# Altium PCB RF.PcbDoc (part 2 of 5)
Units mm, origin at the board's own origin, x right, y up, seen from the top; angles counter-clockwise.
Board outline 174 x 120 mm, 4 copper layers (Top, REF1, Internal, REF2), stack 1.212 mm thick; 567 components, 328 nets, 1552 pads, 3145 vias.
Unrouted connection lines stored in the file: 12.
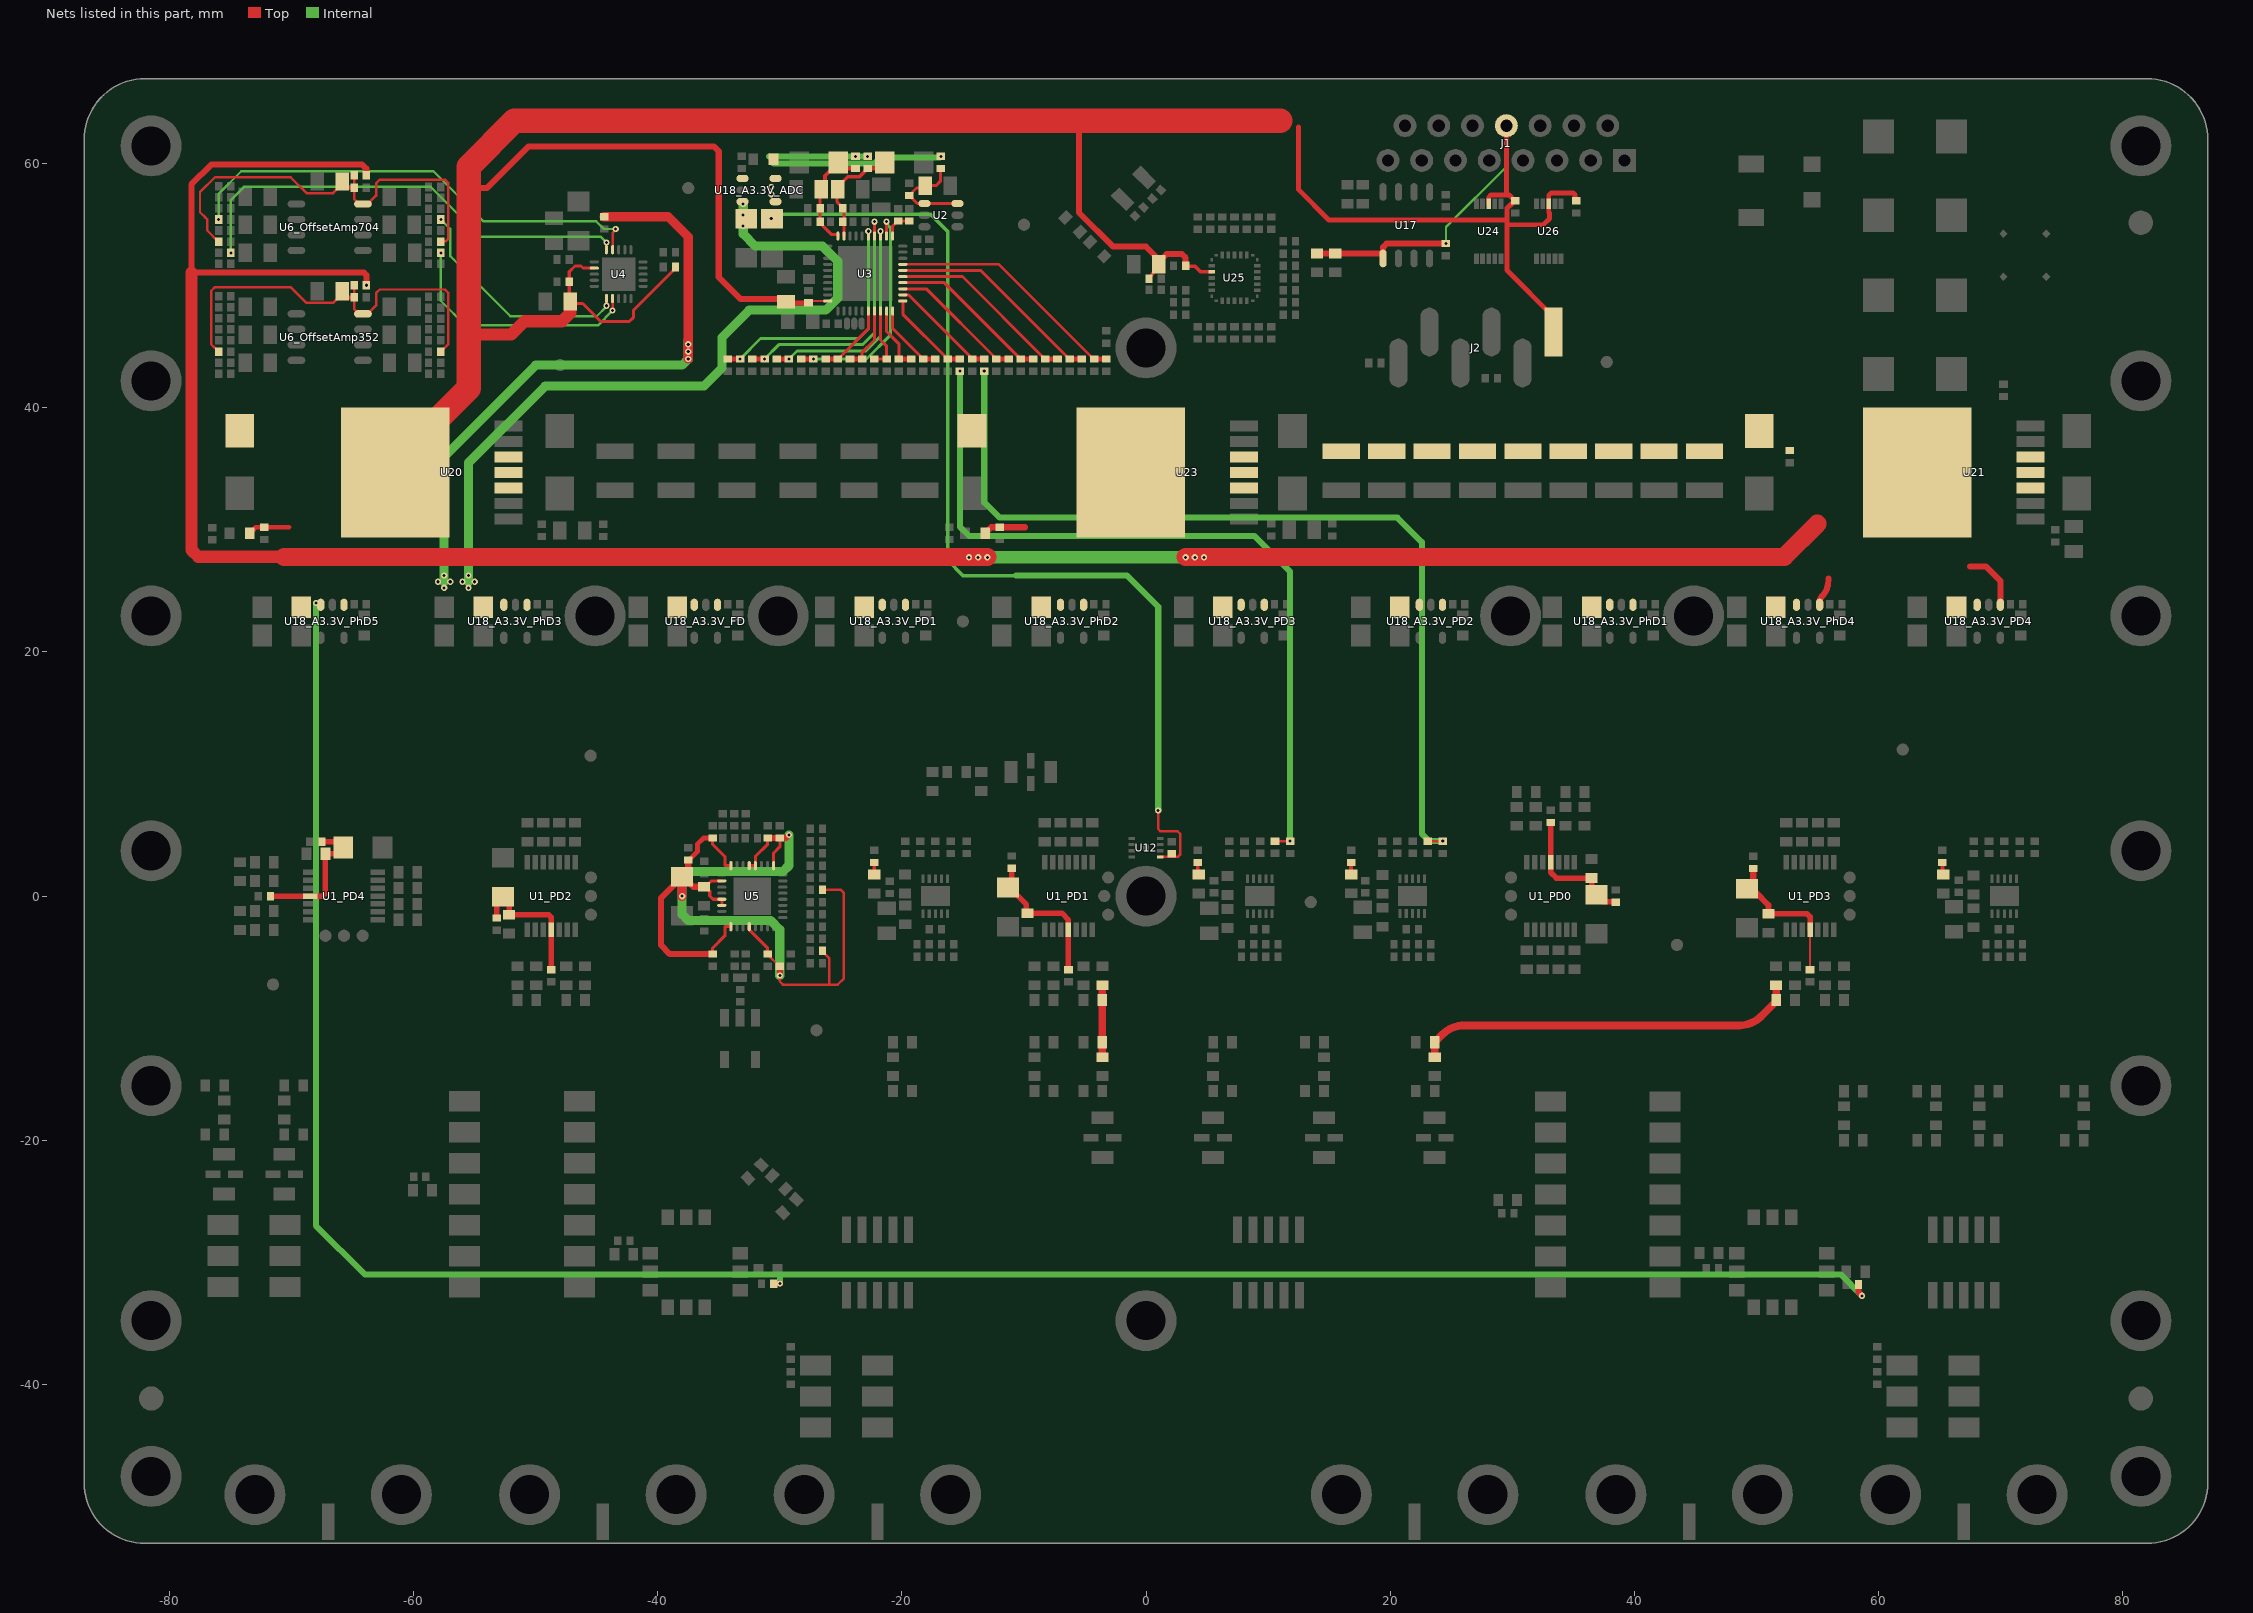
[diagram p4: the nets of this part, all layers, seen from the top]

## Footprints (in the part's own frame and the unit in brackets; to place one, negate y for a bottom-side part, rotate by r counter-clockwise, add the part's x,y. Pads: shape width x height; smd on the part's side, far side on the other; paste and mask are expansions set on the pad) (continued)
"2917-7343  Tantalum Capacitor" [mm]
  rect 2.77x2.55 smd paste-0.1: +(-3.22,0) -(3.22,0)
  silkscreen extent -6,-2.5 5,2.5, body extent -3.8,-2.3 3.8,2.3, height 4.31
AE10105-ND [mil] "15Position D-Sub Plug, Male Pins Connector"
  rect 74x74 hole 39.37: 1(0,0)
  round 74 hole 39.37: 2(-109,0) 3(-218,0) 4(-327,0) 5(-436,0) 6(-545,0) 7(-654,0) 8(-763,0) 9(-54,112) 10(-163,112) 11(-272,112) 12(-381,112) 13(-490,112) 14(-599,112) 15(-708,112)
  body extent -1322,-15 560,776, height 713
BK276 [mm] "Mini-circuits"
  rect 1.65x2.54 smd: 1(0,0) 2(2.54,0) 3(5.08,0) 4(7.62,0) 5(10.16,0) 6(12.7,0) 7(15.24,0) 8(15.24,9.4) 9(12.7,9.4) 10(10.16,9.4) 11(7.62,9.4) 12(5.08,9.4) 13(2.54,9.4) 14(0,9.4)
  silkscreen extent -1.9,-0.1 -1.7,0.1, body extent -2.58,-1.02 17.82,10.41, height 6.35
CD542#1 [mm] "Mini-Circuits CD542"
  rect 1.65x2.54 smd: 1(0,0) 2(2.54,0) 4(5.08,5.08) 5(2.54,5.08) 6(0,5.08)
  rect 1.65x2.54 smd mask+0: 3(5.08,0)
  silkscreen extent -0.13,-2.42 0.07,-2.22, body extent -1.39,-0.91 6.48,6, height 2.85
CD542#2 [mm] "Mini-Circuits CD542"
  rect 1.65x2.54 smd: 1(0,0) 2(2.54,0) 3(5.08,0) 4(5.08,5.08) 5(2.54,5.08) 6(0,5.08)
  silkscreen extent -0.07,-3 0.13,-2.8, body extent -1.39,-0.91 6.48,6, height 2.85
CD636 [mm] "Mini-Circuits CD636"
  rect 1.65x2.54 smd: 1(0,0) 2(2.54,0) 3(5.08,0) 4(5.08,5.08) 5(2.54,5.08) 6(0,5.08)
  silkscreen extent -2.1,-0.1 -1.9,0.1, body extent -1.33,-0.85 6.54,6.05, height 4.11
D2PAK7 [mil] "R Package  7-Lead Plastic DD Pak"
  rect 35x90 smd paste-3.94: 1(0,0) 2(50,0) 3(100,0) 4(150,0) 5(200,0) 6(250,0) 7(300,0)
  rect 420x350 smd paste-3.94: EP(150,365)
  body extent -47,-46 347,570, height 195
DO-219AB [mm] "DO-219AB"
  rect 1.3x1.4 smd: A(0,0) K(2.9,0)
  silkscreen extent 1.95,-0.7 1.95,0.7, body extent -0.29,-0.97 3.21,0.97, height 1.01
DZ943#1 [mm] "Minicircuits"
  rect 0.76x2.16 smd: 1(0,0) 2(1.27,0) 4(3.81,0) 5(5.08,0) 8(2.54,5.36) 10(0,5.36)
  rect 0.76x2.16 smd mask+0: 3(2.54,0) 6(5.08,5.36) 7(3.81,5.36) 9(1.27,5.36)
  silkscreen extent -0.1,1.7 0.1,1.9, body extent -1.27,-0.5 8,5.85, height 4.83
DZ943#2 [mm] "Minicircuits"
  rect 0.76x2.16 smd: 1(0,0) 2(1.27,0) 3(2.54,0) 4(3.81,0) 5(5.08,0) 6(5.08,5.36) 7(3.81,5.36) 8(2.54,5.36) 9(1.27,5.36) 10(0,5.36)
  silkscreen extent -0.1,1.7 0.1,1.9, body extent -1.27,-0.5 8,5.85, height 4.83
FV1206 [mm] "Chip ceramic LTCC filter"
  rect 1.04x1.8 smd: 1(0,0) 3(3.25,0)
  rect 0.61x1.245 smd: 2(1.625,-0.927) 4(1.625,0.927)
  body extent 0.03,-0.83 3.22,0.83, height 0.92
FZ990 [mil]
  rect 40.16x50 smd paste-3.94: 1(-30,-145) 2(30,-145) 3(90,-145) 7(90,145) 8(30,145) 9(-30,145)
  rect 50x40.16 smd paste-3.94: 4(145,-30) 5(145,30) 6(145,90) 10(-145,90) 11(-145,30) 12(-145,-30)
  silkscreen extent -150,-150 150,150, body extent -152,-152 152,152, height 100
"HDR_1x6 SMD" [mm] "Male Header, Pitch 2.54mm, 6x1 Position, Mated Height 6mm, Tail Length 3mm"
  rect 1.5x4 smd: 1(0,0)
  oval 1.5x4 smd: 2(2.54,2.54) 3(5.08,0) 4(7.62,2.54) 5(10.16,0) 6(12.7,2.54)
  silkscreen extent -0.25,3.56 0.25,4.06, body extent -1.27,-0.73 13.8,3.47, height 6.54
LED0603 [mm] "Chip Diode, 2-Leads, Body 1,60x0,80mm, IPC Medium Density"
  rect 0.8x0.95 smd: A(-0.825,0) K(0.825,0)
  silkscreen extent 0.2,-0.4 0.2,0.4, body extent -0.8,-0.4 0.8,0.4, height 0.8
LFCSP-20 [mm] "20 LFCSP 4 mm × 4 mm Body"
  oval 0.75x0.25 smd: 1(-2,1) 2(-2,0.5) 3(-2,0) 4(-2,-0.5) 5(-2,-1) 11(2,-1) 12(2,-0.5) 13(2,0) 14(2,0.5) 15(2,1)
  oval 0.25x0.75 smd: 6(-1,-2) 7(-0.5,-2) 8(0,-2) 9(0.5,-2) 10(1,-2) 16(1,2) 17(0.5,2) 18(0,2) 19(-0.5,2) 20(-1,2)
  rect 2.75x2.75 smd: EP(0,0)
  silkscreen extent -2.12,-2 2,2.12, body extent -2.01,-2.01 2.01,2.01, height 0.8
LFCSP-32 [mm] "32 LFCSP 5 mm × 5 mm Body, Very Thin Quad"
  oval 0.75x0.25 smd: 1(-2.5,1.75) 3(-2.5,0.75) 4(-2.5,0.25) 5(-2.5,-0.25) 6(-2.5,-0.75) 7(-2.5,-1.25) 8(-2.5,-1.75) 17(2.5,-1.75) 18(2.5,-1.25) 19(2.5,-0.75) 20(2.5,-0.25) 21(2.5,0.25) 22(2.5,0.75) 23(2.5,1.25) 24(2.5,1.75)
  oval 0.75x0.25 smd mask+0: 2(-2.5,1.25)
  oval 0.25x0.75 smd: 9(-1.75,-2.5) 10(-1.25,-2.5) 11(-0.75,-2.5) 12(-0.25,-2.5) 13(0.25,-2.5) 14(0.75,-2.5) 15(1.25,-2.5) 16(1.75,-2.5) 25(1.75,2.5) 26(1.25,2.5) 27(0.75,2.5) 28(0.25,2.5) 29(-0.25,2.5) 30(-0.75,2.5) 31(-1.25,2.5) 32(-1.75,2.5)
  rect 3.1x3.1 smd: EP(0,0)
  silkscreen extent -2.62,-2.5 2.5,2.62, body extent -2.5,-2.5 2.5,2.5, height 1.05
LFCSP-40 [mm] "QFN, 40-Leads, Body 6,1x6,1mm (max), Pitch 0,50mm, IPC Medium Density"
  oval 0.75x0.25 smd: 1(-3.075,2.25) 2(-3.075,1.75) 3(-3.075,1.25) 4(-3.075,0.75) 5(-3.075,0.25) 6(-3.075,-0.25) 7(-3.075,-0.75) 8(-3.075,-1.25) 9(-3.075,-1.75) 10(-3.075,-2.25) 21(3.075,-2.25) 22(3.075,-1.75) 23(3.075,-1.25) 24(3.075,-0.75) 25(3.075,-0.25) 26(3.075,0.25) 27(3.075,0.75) 28(3.075,1.25) 29(3.075,1.75) 30(3.075,2.25)
  oval 0.25x0.75 smd: 11(-2.25,-3.075) 12(-1.75,-3.075) 13(-1.25,-3.075) 14(-0.75,-3.075) 15(-0.25,-3.075) 16(0.25,-3.075) 17(0.75,-3.075) 18(1.25,-3.075) 19(1.75,-3.075) 20(2.25,-3.075) 31(2.25,3.075) 32(1.75,3.075) 33(1.25,3.075) 34(0.75,3.075) 35(0.25,3.075) 36(-0.25,3.075) 37(-0.75,3.075) 38(-1.25,3.075) 39(-1.75,3.075) 40(-2.25,3.075)
  rect 4.5x4.5 smd: EP(0,0)
  silkscreen extent -3.12,-3.05 3.05,3.13, body extent -3,-3 3,3, height 0.73
LPD5030 [mm] "Shielded Coupled Inductors"
  rect 0.5x0.5 smd rot 135: 1(-1.75,1.75) 2(-1.75,-1.75) 3(1.75,-1.75) 4(1.75,1.75)
  Top region: -2.5,-0.75 -1.75,-0.75 -1.75,-1.15 -1.15,-1.75 -0.75,-1.75 -0.75,-2.5 -1.5,-2.5 -2.5,-1.5
  Top region: 2.5,-0.75 1.75,-0.75 1.75,-1.15 1.15,-1.75 0.75,-1.75 0.75,-2.5 1.5,-2.5 2.5,-1.5
  Top region: 2.5,0.75 1.75,0.75 1.75,1.15 1.15,1.75 0.75,1.75 0.75,2.5 1.5,2.5 2.5,1.5
  Top region: -2.5,0.75 -1.75,0.75 -1.75,1.15 -1.15,1.75 -0.75,1.75 -0.75,2.5 -1.5,2.5 -2.5,1.5
  silkscreen extent -2.62,2.38 -2.37,2.62, body extent -2.5,-2.5 2.5,2.5, height 3.13
LT-DFN10 [mm] "QFN, 10-Leads, Body 3,00x3,00mm, Pitch 0,50mm, Thermal Pad 1,65x2,54mm, IPC Medium Density"
  rect 0.7x0.25 smd: 1(-1.425,1) 2(-1.425,0.5) 3(-1.425,0) 4(-1.425,-0.5) 5(-1.425,-1) 6(1.425,-1) 7(1.425,-0.5) 8(1.425,0) 9(1.425,0.5) 10(1.425,1)
  rect 1.65x2.38 smd: 11(0,0)
  silkscreen extent -2.47,-1.7 1.7,1.7, body extent -1.55,-1.55 1.55,1.55, height 0.8
"M3 Screw"#1 [mm] "M3mmx10mm Screw"
  round 5 hole 3.2: 0(0,0)
  body extent -1.9,-1.9 1.9,1.9, height 1.65
"M3 Screw"#2 [mm] "M3mmx10mm Screw"
  round 5 hole 3.2 mask+0.65: 0(0,0)
  body extent -1.9,-1.9 1.9,1.9, height 1.65
MABAES0061 [mm]
  rect 0.76x1.4 smd paste-0.1: 1(-1.27,0) 2(0,0) 3(1.27,0) 4(1.27,-3.43) 5(-1.27,-3.43)
  body extent -1.9,-4.16 1.9,0.66, height 2.83
MC000242 [mm] "SMA Bulkhead Jack  Front Mount"
  rect 1x3 smd paste-0.1: 0(0,0)
  body extent -5.55,-1.4 5.55,16.1, height 5.8
"MSOP10 3x3mm" [mm] "MSOP10 3x3mm"
  rect 0.4x0.85 smd: 1(-1,0) 2(-0.5,0) 3(0,0) 4(0.5,0) 5(1,0) 6(1,4.5) 7(0.5,4.5) 8(0,4.5) 9(-0.5,4.5) 10(-1,4.5)
  silkscreen extent -1.48,0.79 1.35,3.63, body extent -1.55,-0.27 1.55,4.77, height 1.1
SOD128 [mm] "SOD128 DIODE"
  rect 1.4x2.1 smd: 1(-2.2,0) 2(2.2,0)
  silkscreen extent 0.9,-1.5 0.9,1.5, body extent -2.6,-1.35 2.6,1.35, height 1.11
SOIC8 [mm] "SOIC, 8-Leads, Body 4,90x3,90mm, Pitch 1,27mm, IPC Medium Density"
  oval 1.45x0.6 smd: 1(-2.725,1.905) 2(-2.725,0.635) 3(-2.725,-0.635) 4(-2.725,-1.905) 5(2.725,-1.905) 6(2.725,-0.635) 7(2.725,0.635) 8(2.725,1.905)
  silkscreen extent -2.85,-2.5 1.6,2.88, body extent -3,-2.5 3,2.5, height 1.75
SOT-23-5 [mm]
  oval 0.6x1 smd: 1(-0.966,-1.35) 2(-0.016,-1.35) 3(0.934,-1.35) 4(0.934,1.35) 5(-0.966,1.35)
  silkscreen extent -1.64,-0.62 -1.39,-0.38, body extent -1.52,-1.5 1.48,1.5, height 1.5
SOT-23-6 [mm]
  oval 0.6x1 smd: 1(-0.966,-1.35) 2(-0.016,-1.35) 3(0.934,-1.35) 4(0.934,1.35) 5(-0.016,1.35) 6(-0.966,1.35)
  silkscreen extent -1.64,-0.63 -1.39,-0.38, body extent -1.52,-1.4 1.48,1.4, height 1.45
"TDFN-8 SHT3X-ARP" [mm] "TDFN-8"
  rect 0.55x0.25 smd paste-0.1: 1(-1.175,0.75) 2(-1.175,0.25) 3(-1.175,-0.25) 4(-1.175,-0.75) 5(1.175,-0.75) 6(1.175,-0.25) 7(1.175,0.25) 8(1.175,0.75)
  rect 0.5x0.5 smd: EP(0,0)
  Top region: -0.2,0.85 0.5,0.85 0.5,-0.85 -0.5,-0.85 -0.5,0.55
  silkscreen extent -1.27,1.2 -1.07,1.4, body extent -1.25,-1.25 1.25,1.25, height 0.95
TSSOP14 [mm] "14-Lead Plastic TSSOP (4.4mm)"
  rect 0.45x1.2 smd: 1(0,0) 2(0.65,0) 3(1.3,0) 4(1.95,0) 5(2.6,0) 6(3.25,0) 7(3.9,0) 8(3.9,5.55) 9(3.25,5.55) 10(2.6,5.55) 11(1.95,5.55) 12(1.3,5.55) 13(0.65,5.55) 14(0,5.55)
  silkscreen extent -0.25,0.87 4.15,4.67, body extent -0.49,-0.43 4.51,5.98, height 1.26
UFQFPN-28 [mm] "UFQFPN-28 4X4 BODY"
  rect 0.2x0.3 smd paste+0: 1(-1.875,1.5) 15(1.875,-1.5)
  rect 0.55x0.3 smd: 2(-1.875,1) 3(-1.875,0.5) 4(-1.875,0) 5(-1.875,-0.5) 6(-1.875,-1) 16(1.875,-1) 17(1.875,-0.5) 18(1.875,0) 19(1.875,0.5) 20(1.875,1)
  rect 0.2x0.3 smd: 7(-1.875,-1.5) 21(1.875,1.5)
  rect 0.3x0.2 smd paste+0: 8(-1.5,-1.875) 22(1.5,1.875)
  rect 0.3x0.55 smd: 9(-1,-1.875) 10(-0.5,-1.875) 11(0,-1.875) 12(0.5,-1.875) 13(1,-1.875) 23(1,1.875) 24(0.5,1.875) 25(0,1.875) 26(-0.5,1.875) 27(-1,1.875)
  rect 0.3x0.2 smd: 14(1.5,-1.875) 28(-1.5,1.875)
  Top region: -1.35,-1.65 -1.535,-1.65 -1.65,-1.765 -1.65,-2.15 -1.35,-2.15
  Top region: 1.35,-1.65 1.535,-1.65 1.65,-1.765 1.65,-2.15 1.35,-2.15
  Top region: -1.65,-1.35 -1.65,-1.535 -1.765,-1.65 -2.15,-1.65 -2.15,-1.35
  Top region: -1.65,1.35 -1.65,1.535 -1.765,1.65 -2.15,1.65 -2.15,1.35
  Top region: 1.65,-1.35 1.65,-1.535 1.765,-1.65 2.15,-1.65 2.15,-1.35
  Top region: 1.65,1.35 1.65,1.535 1.765,1.65 2.15,1.65 2.15,1.35
  Top region: -1.35,1.65 -1.535,1.65 -1.65,1.765 -1.65,2.15 -1.35,2.15
  Top region: 1.35,1.65 1.535,1.65 1.65,1.765 1.65,2.15 1.35,2.15
  silkscreen extent -2.23,-2.11 2.11,2.23, body extent -2.01,-2.01 2.01,2.01, height 0.57

## Part data
Att5 Att15: "Voltage Variable Attenuator / 50? 50 to 2000 MHz", Case=FZ990, HelpURL=https://www.minicircuits.com/pdfs/SVA-2000+.pdf, Supplier 1=Mini-Circuits, Supplier Part Number 1=SVA-2000+
BLM1_PD0 BLM1_PD1 BLM1_PD2 BLM1_PD3 BLM1_PD4: library part BLM15AG102SZ1D, "1 kOhms @ 100MHz 1 Signal Line Ferrite Bead 0402 (1005 Metric) 300mA 650mOhm", Case=0402, Supplier Part Number 1=490-16511-1-ND, HelpURL=https://www.murata.com/en-us/products/productdata/8796748677150/QNFA9118.pdf, Supplier 1=Digi-Key
BLM2 BLM3 BLM4 BLM7 BLM8 BLM9_OffsetAmp352 BLM9_OffsetAmp704 BLM10_PWD0 BLM10_PWD1 BLM10_PWD2 BLM10_PWD3 BLM11 BLM12 BLM13 BLM14 BLM15 BLM16: library part BLM15AX121SZ1D, "120 Ohms @ 100MHz 1 Power, Signal Line Ferrite Bead 0402 (1005 Metric) 700mA 130mOhm", Case=0402, Supplier Part Number 1=490-16510-1-ND, HelpURL=https://www.murata.com/en-us/products/productdata/8796748677150/QNFA9118.pdf, Supplier 1=Digi-Key
C1_PD0 C1_PD1 C1_PD2 C1_PD3 C1_PD4 C10 C11 C14 C15 C16 C17 C20 C22 C23 C24 C25 C26 C27 C28 C29 C30 C31 C32 C33 C34 C36 C37 C38 C40 C41 C42 C43 C45 C46 C48 C51 C54 C55 C56 C57 C58 C59 C66_OffsetAmp352 C66_OffsetAmp704 C71_PWD0 C71_PWD1 C71_PWD2 C71_PWD3 C72_PWD0 C72_PWD1 C72_PWD2 C72_PWD3 C73_PWD0 C73_PWD1 C73_PWD2 C73_PWD3 C74_PWD0 C74_PWD1 C74_PWD2 C74_PWD3 C75_PWD0 C75_PWD1 C75_PWD2 C75_PWD3 C77 C79 C80 C83 C84 C88 C89 C96 C97 C104 C105 C108 C109 C110 C111 C112 C113 C118 C119 C120 C121 C122 C123 C124 C125: "Capacitor 0402", Case=0402, Dielectric=X7R/C0G, Tolerance=±20%, Voltage Rating=16V
C2_PD0 C2_PD1 C2_PD2 C2_PD3 C2_PD4 C4_PD0 C4_PD1 C4_PD2 C4_PD3 C4_PD4 C5_PD0 C5_PD1 C5_PD2 C5_PD3 C5_PD4 C6_PD0 C6_PD1 C6_PD2 C6_PD3 C6_PD4 C7_PD0 C7_PD1 C7_PD2 C7_PD3 C7_PD4 C8_PD0 C8_PD1 C8_PD2 C8_PD3 C8_PD4 C9_PD0 C9_PD1 C9_PD2 C9_PD3 C9_PD4 C53 C69_PWD0 C69_PWD1 C69_PWD2 C69_PWD3 C70_PWD0 C70_PWD1 C70_PWD2 C70_PWD3 C76 C78 C114 C115 C116 C117: "Capacitor 0603", Case=0603, Dielectric=X7R/C0G, Tolerance=±20%, Voltage Rating=16V
C3_PD0 C3_PD1 C3_PD2 C3_PD3 C3_PD4 C13 C19 C52 C81_A3.3V_ADC C81_A3.3V_FD C81_A3.3V_PD1 C81_A3.3V_PD2 C81_A3.3V_PD3 C81_A3.3V_PD4 C81_A3.3V_PhD1 C81_A3.3V_PhD2 C81_A3.3V_PhD3 C81_A3.3V_PhD4 C81_A3.3V_PhD5 C82_A3.3V_ADC C82_A3.3V_FD C82_A3.3V_PD1 C82_A3.3V_PD2 C82_A3.3V_PD3 C82_A3.3V_PD4 C82_A3.3V_PhD1 C82_A3.3V_PhD2 C82_A3.3V_PhD3 C82_A3.3V_PhD4 C82_A3.3V_PhD5: "Capacitor 1206", Case=1206, Dielectric=X7R/C0G, Tolerance=±20%, Voltage Rating=16V
C12 C18 C21 C35 C39 C44 C47 C49 C60_OffsetAmp352 C60_OffsetAmp704 C61_OffsetAmp352 C61_OffsetAmp704 C62_OffsetAmp352 C62_OffsetAmp704 C63_OffsetAmp352 C63_OffsetAmp704 C64_OffsetAmp352 C64_OffsetAmp704 C65_OffsetAmp352 C65_OffsetAmp704 C67_OffsetAmp352 C67_OffsetAmp704 C68_PWD0 C68_PWD1 C68_PWD2 C68_PWD3 C107: "Capacitor 0805", Case=0805, Dielectric=X7R/C0G, Tolerance=±20%, Voltage Rating=16V
C50: "CAP TANT 10UF 10% 16V 1206", Case=1206, Supplier Part Number 1=399-8269-1-ND, Voltage Rating=16V, Supplier 1=Digi-Key
C87 C90 C95 C98 C103 C106: "CAP TANT 10UF 10% 25V 2312", Case=2312, Supplier Part Number 1=399-3734-1-ND, Voltage Rating=25V, HelpURL=https://content.kemet.com/datasheets/KEM_T2005_T491.pdf, Supplier 1=Digi-Key
C91 C92 C93 C94: "150µF Molded Tantalum Capacitors 20V 2917", Case=2917, Supplier Part Number 1=399-4794-1-ND, Tolerance=±10%, Voltage Rating=20V, HelpURL=https://content.kemet.com/datasheets/KEM_T2005_T491.pdf, Supplier 1=Digi-Key
Cpl1 Cpl2: "20 dB SMT Directional Coupler, 100 - 1300 MHz, 50?", Case=CD542, HelpURL=https://www.minicircuits.com/pdfs/ADC-20-132+.pdf, Supplier 1=Mini-Circuits, Supplier Part Number 1=ADC-20-132+
D1: "Diode Schottky 60V 3A Surface Mount SOD-128/CFP5", Manufacturer="Nexperia USA Inc.", Package=SOD128, Supplier Part Number 1=1727-1349-1-ND, HelpURL=https://assets.nexperia.com/documents/data-sheet/PMEG6030EVP.pdf, ManufacturerNr=PMEG6030EVPX, Pin Count=2, Supplier 1=Digi-Key
D2: library part SMF16A-E3-08, "26V Clamp 7.7A Ipp Tvs Diode Surface Mount SMF", Case=DO-219AB, Supplier Part Number 1=SMF16A-E3-08GICT-ND, HelpURL=http://www.vishay.com/docs/85881/smf5v0atosmf58a.pdf, Supplier 1=Digi-Key
HPF1 HPF2 HPF3: "Ceramic High Pass Filter / • 50O / • 710 to 2490 MHz", Case=FV1206, HelpURL=https://www.minicircuits.com/pdfs/HFCN-650.pdf, Supplier 1=Mini-Circuits, Supplier Part Number 1=HFCN-650
J1: library part "A-DF 15 AA-WP", "15 Position D-Sub Plug, Female Pins Connector", Supplier Part Number 1=AE10105-ND, HelpURL=http://www.assmann-wsw.com/fileadmin/datasheets/ASS_3251_CO.pdf, Supplier 1=Digi-Key
J2: Supplier Part Number 1=1849-1036-ND, HelpURL=https://www.metz-connect.com/us/system/files/productfiles/Data_sheet_PM202XXVBNN.PDF, Supplier 1=Digi-Key
L1: "Shielded Coupled Inductor", Case=LPD5030, Supplier Part Number 1=2434738, Tolerance=20%, Voltage Rating="100 V", HelpURL=http://www.farnell.com/datasheets/1862246.pdf?_ga=2.57899747.877596875.1505932278-516227586.1495631175, Supplier 1=Farnell
LED1_A3.3V_ADC LED1_A3.3V_FD LED1_A3.3V_PD1 LED1_A3.3V_PD2 LED1_A3.3V_PD3 LED1_A3.3V_PD4 LED1_A3.3V_PhD1 LED1_A3.3V_PhD2 LED1_A3.3V_PhD3 LED1_A3.3V_PhD4 LED1_A3.3V_PhD5 LED2 LED3: library part LED0603, Case=0603, Color=Red
LED4 LED5: library part LED0603, Case=0603, Color=Red
LPF1 LPF2 LPF3 LPF4: "Ceramic Low Pass Filter / • 50O / • DC to 400 MHz", Case=FV1206, HelpURL=https://ww2.minicircuits.com/pdfs/LFCN-400.pdf, Supplier 1=Mini-Circuits, Supplier Part Number 1=LFCN-400
PS352: "Narrow Band Phase Shifter / • 50 Ohm / • 180 deg Voltage Variable / • 300 MHz to 400 MHz", Case=BK276, HelpURL=https://ww2.minicircuits.com/pdfs/JSPHS-42+.pdf, Supplier 1=Mini-Circuits, Supplier Part Number 1=JSPHS-42+
PS704: "Narrow Band Phase Shifter / • 50 Ohm / • 180 deg Voltage Variable / • 700 MHz to 1000 MHz", Case=BK276, HelpURL=https://ww2.minicircuits.com/pdfs/JSPHS-1000+.pdf, Supplier 1=Mini-Circuits, Supplier Part Number 1=JSPHS-1000+
R1_PD0 R1_PD1 R1_PD2 R1_PD3 R1_PD4 R2_PD0 R2_PD1 R2_PD2 R2_PD3 R2_PD4 R3_PD0 R3_PD1 R3_PD2 R3_PD3 R3_PD4 R4_PD0 R4_PD1 R4_PD2 R4_PD3 R4_PD4 R15 R58_PWD0 R58_PWD1 R58_PWD2 R58_PWD3 R66 R67 R108 R109 R111 R112 R113 R114 R115 R116 R117 R118 R119 R120 R121 R122 R123 R124 R125 R126 R127 R128 R129 R130 R131 R132 R133 R134 R135 R136 R137 R138 R139 R140 R141 R142 R143 R144 R145 R146 R147 R148 R149 R150 R151 R152: "Resistor 0603", Case=0603, Tolerance=±1%